# Altium PCB fMAX_MB.PcbDoc (part 1 of 13) (continued)
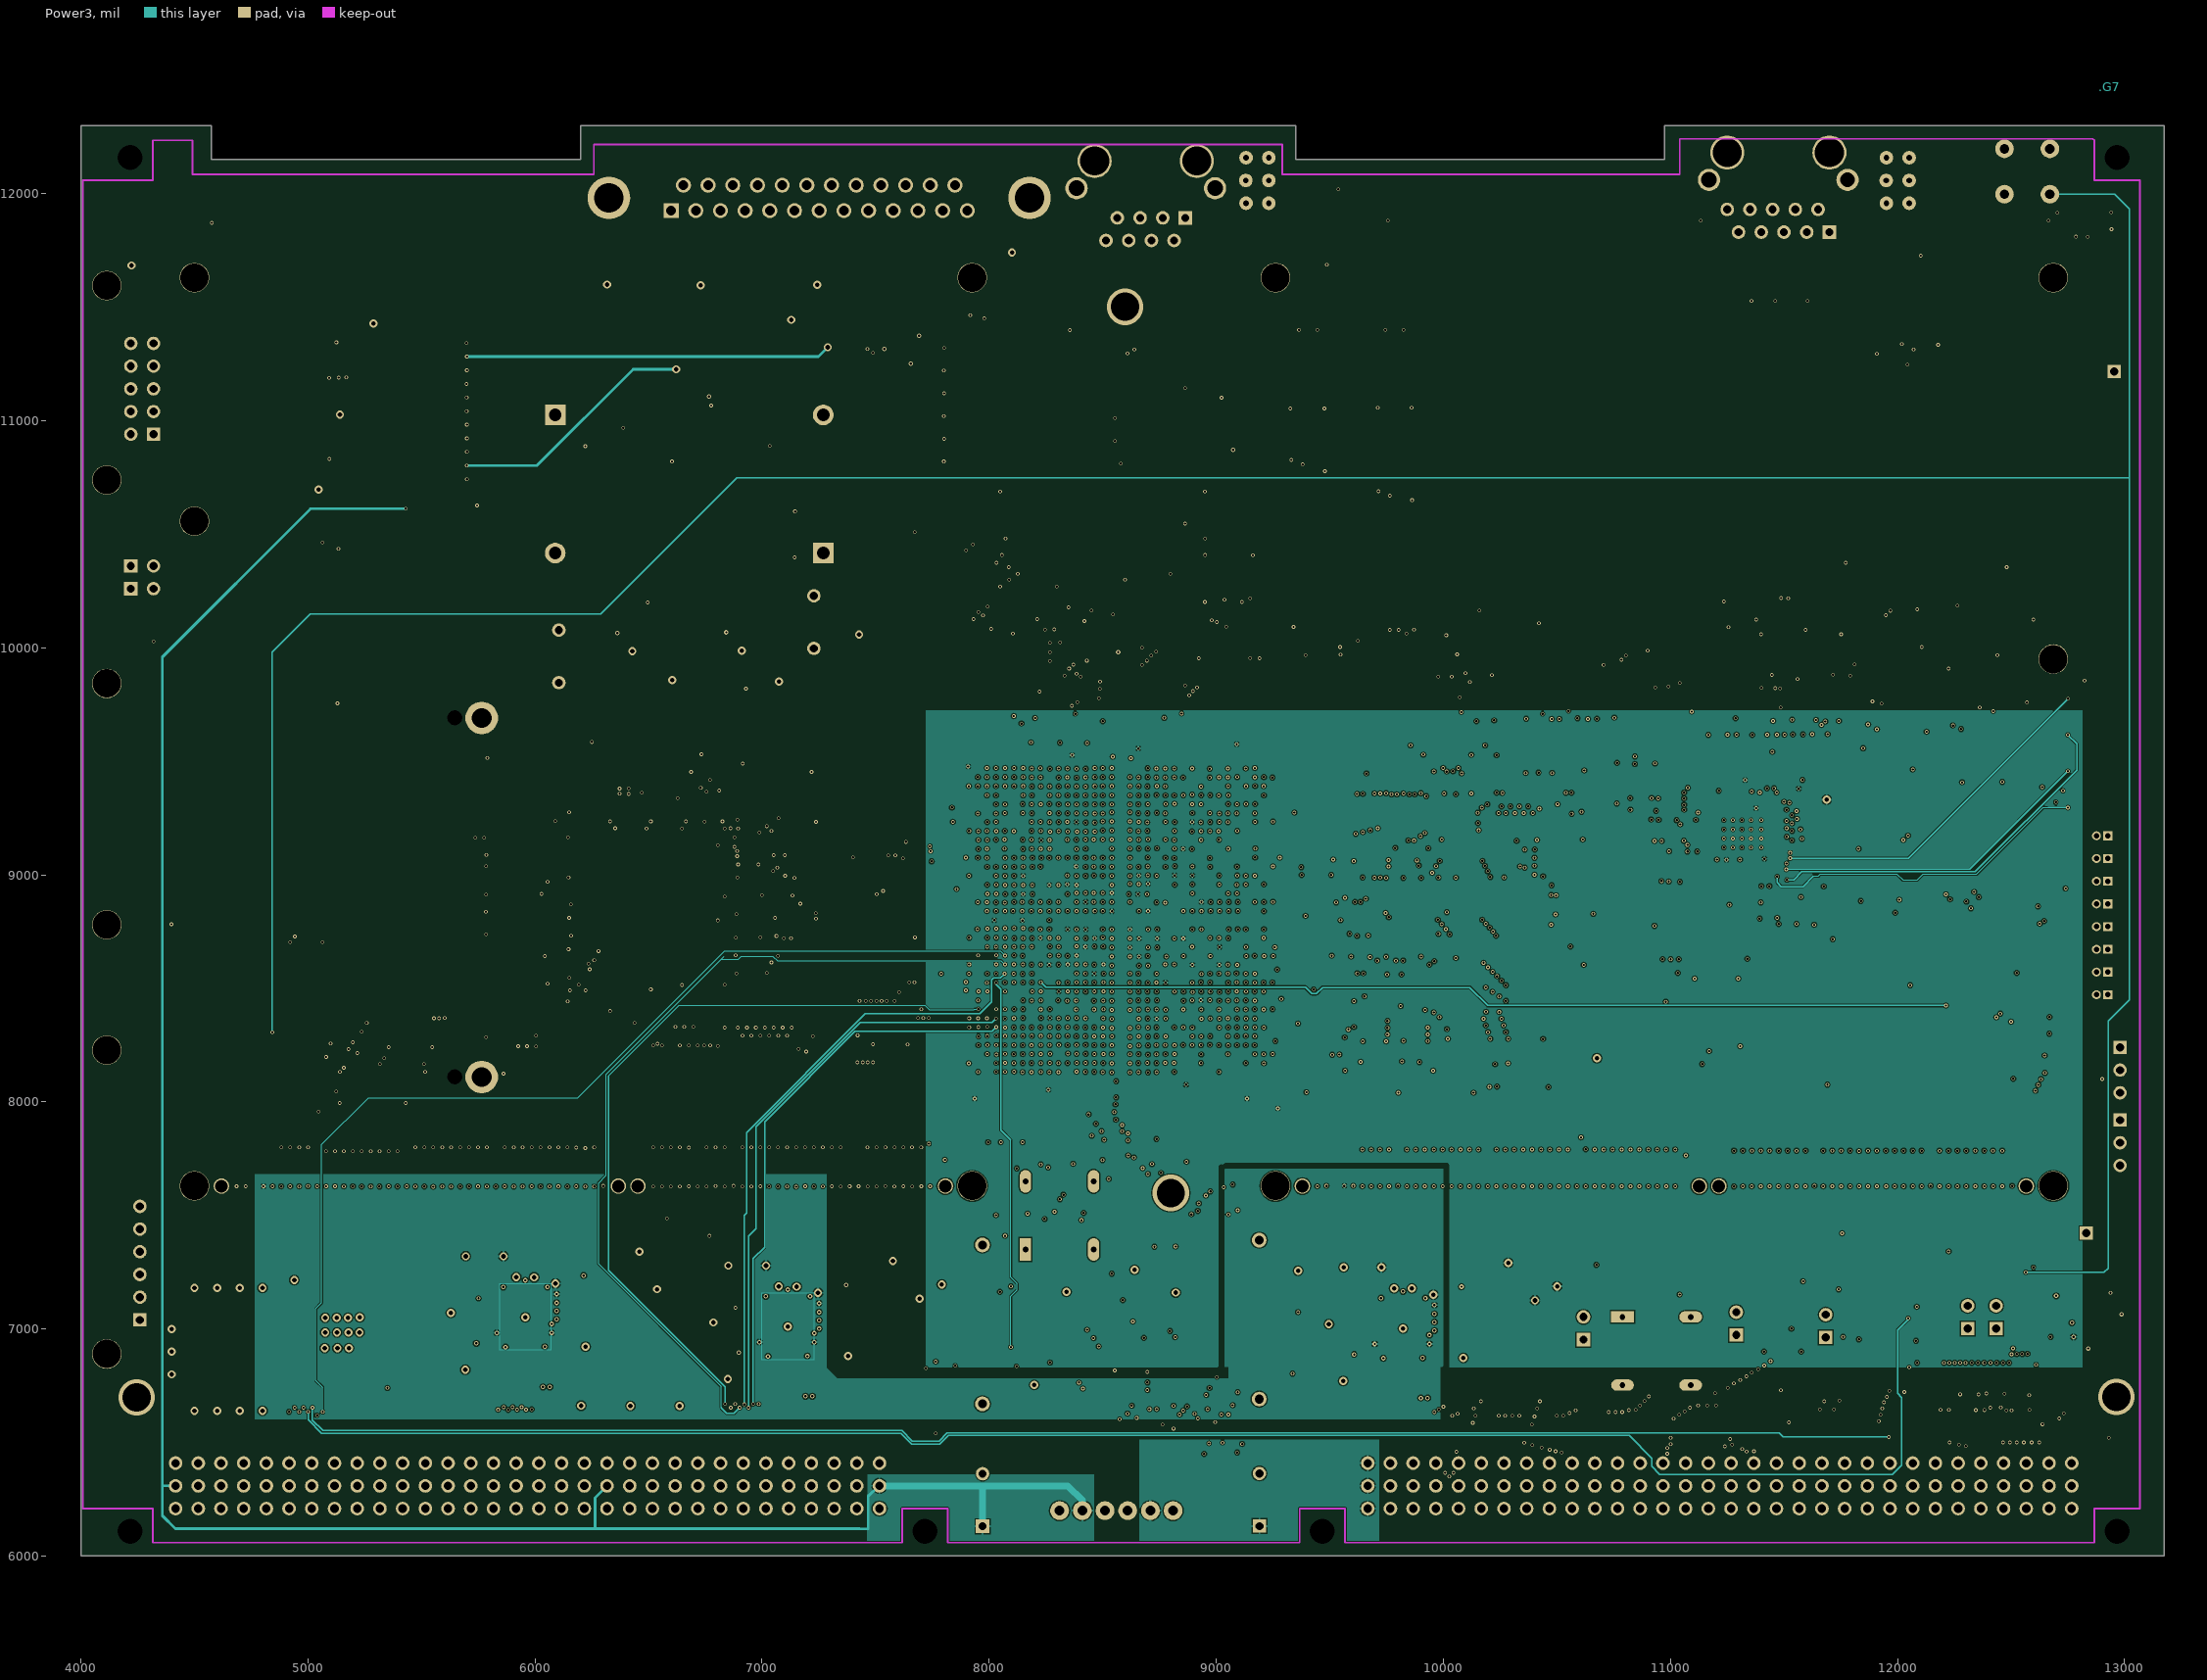
[diagram p8: Power3]
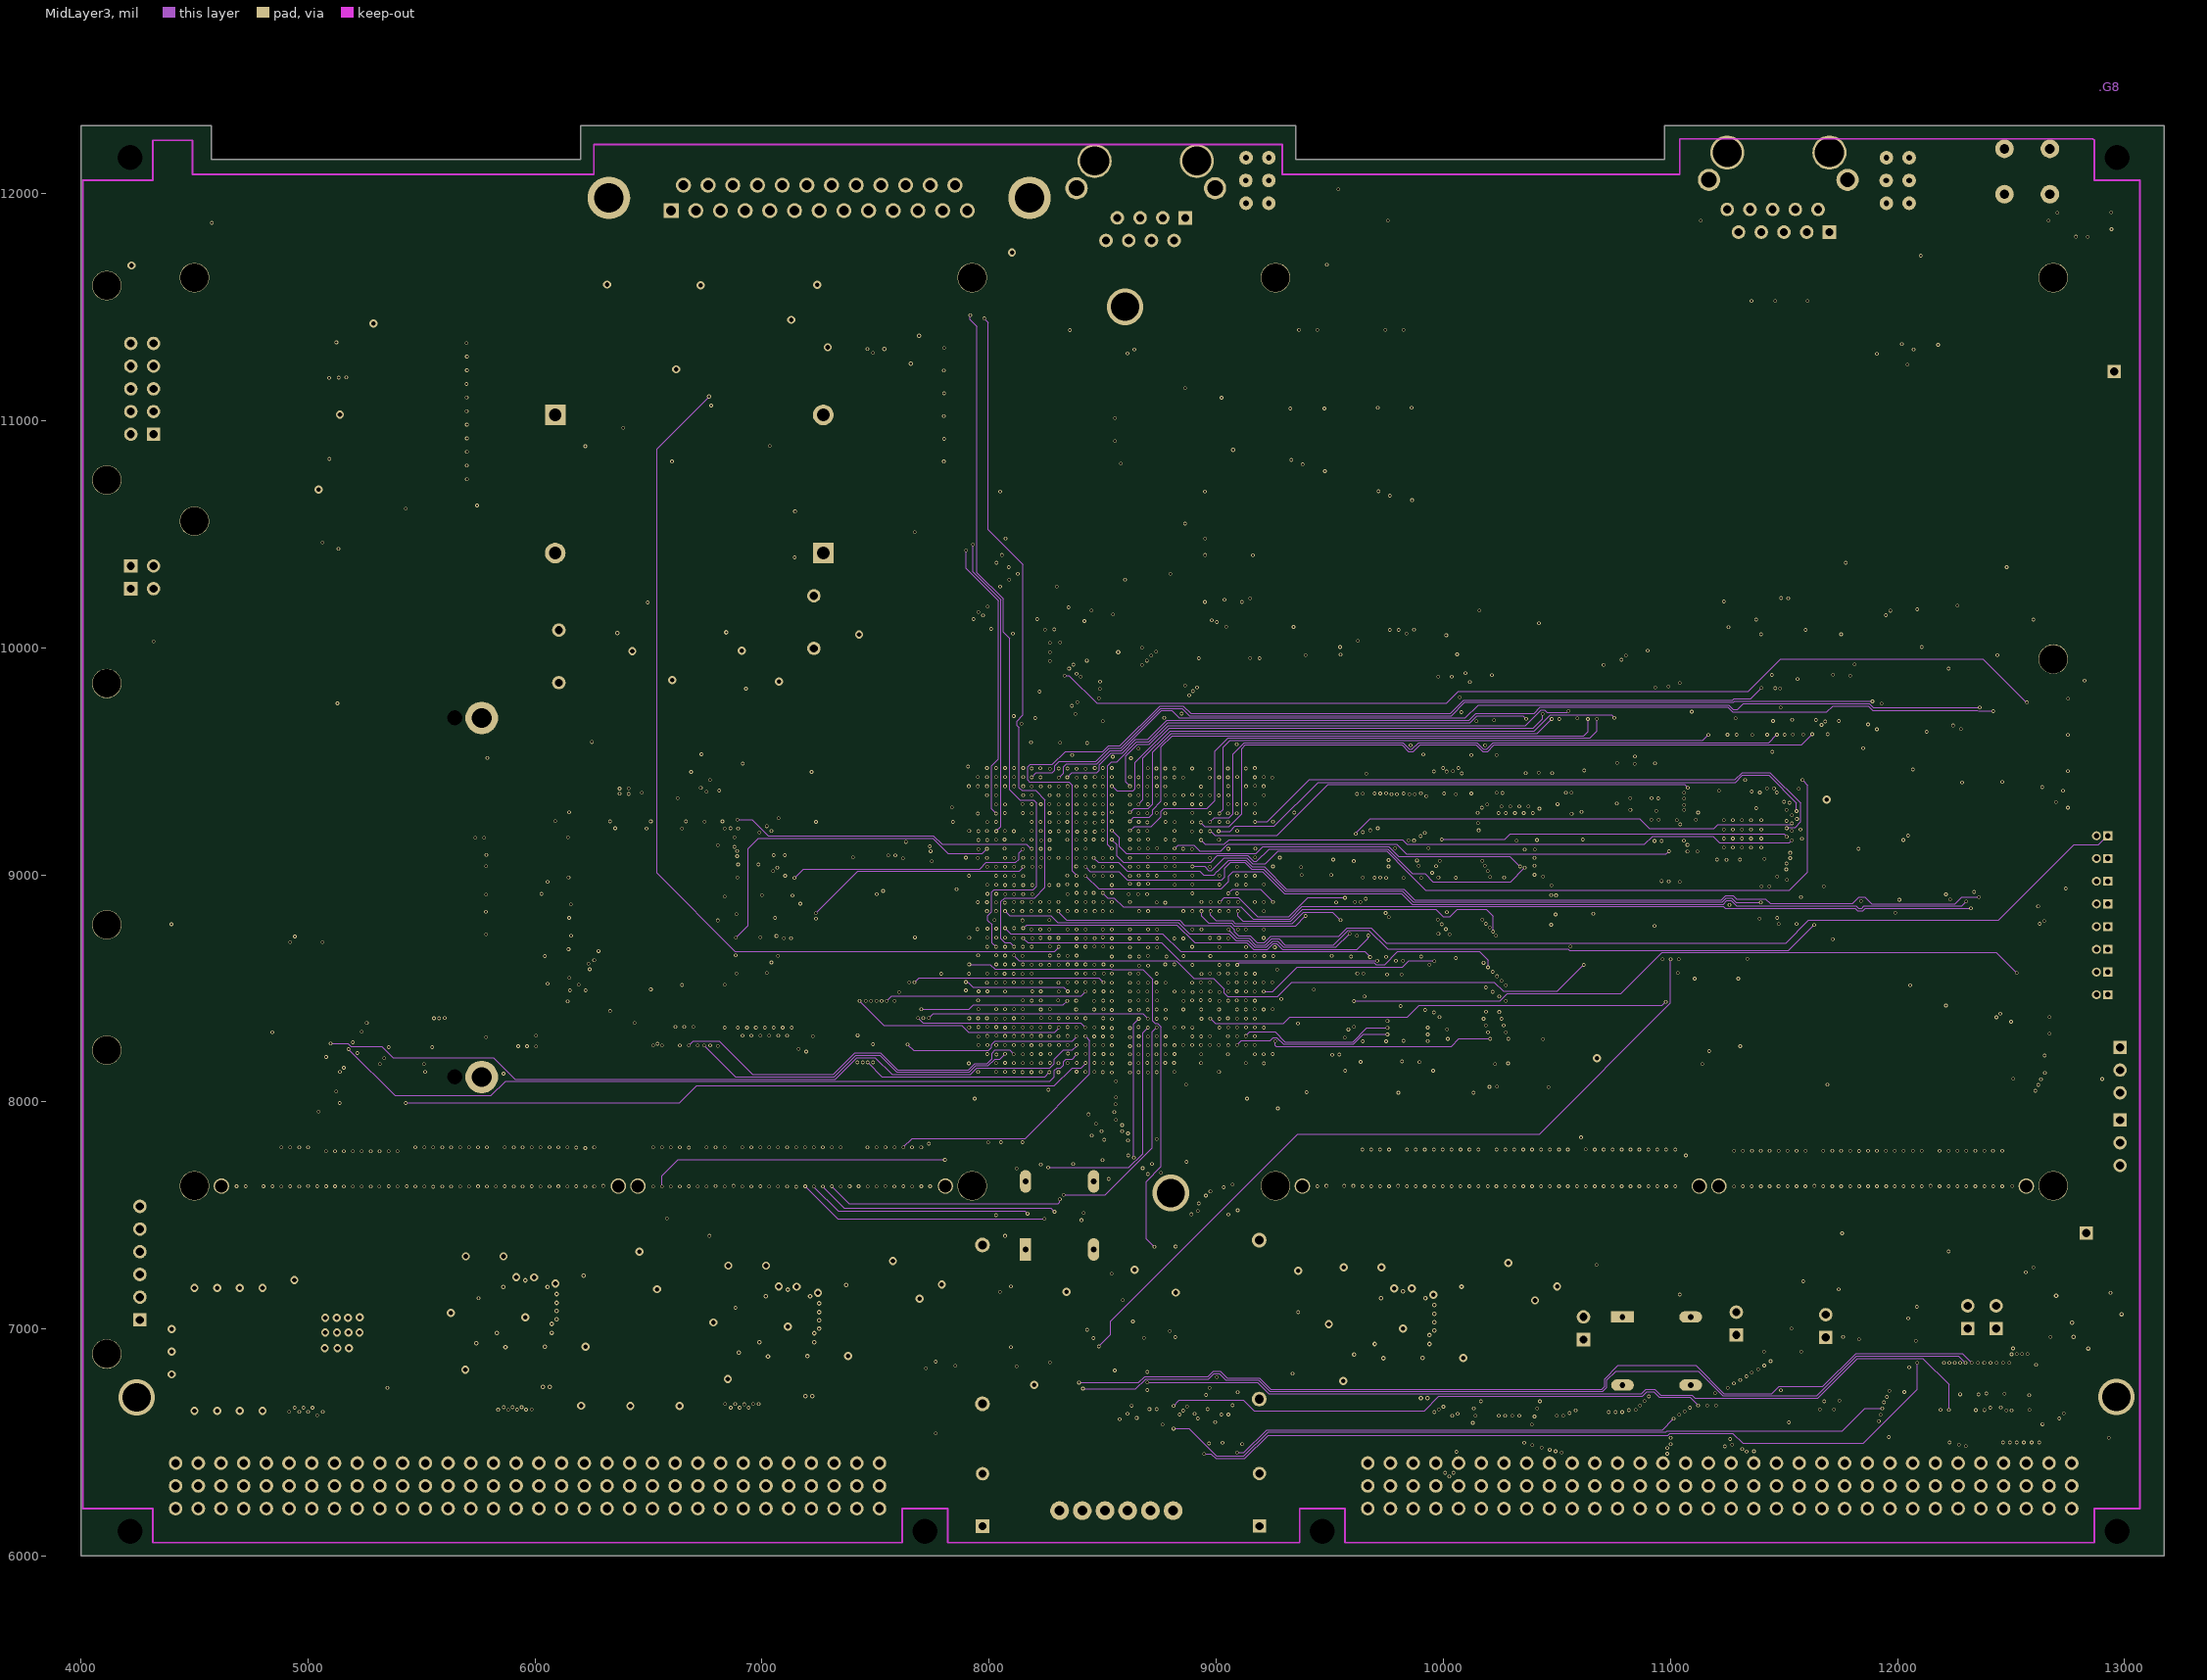
[diagram p9: MidLayer3]
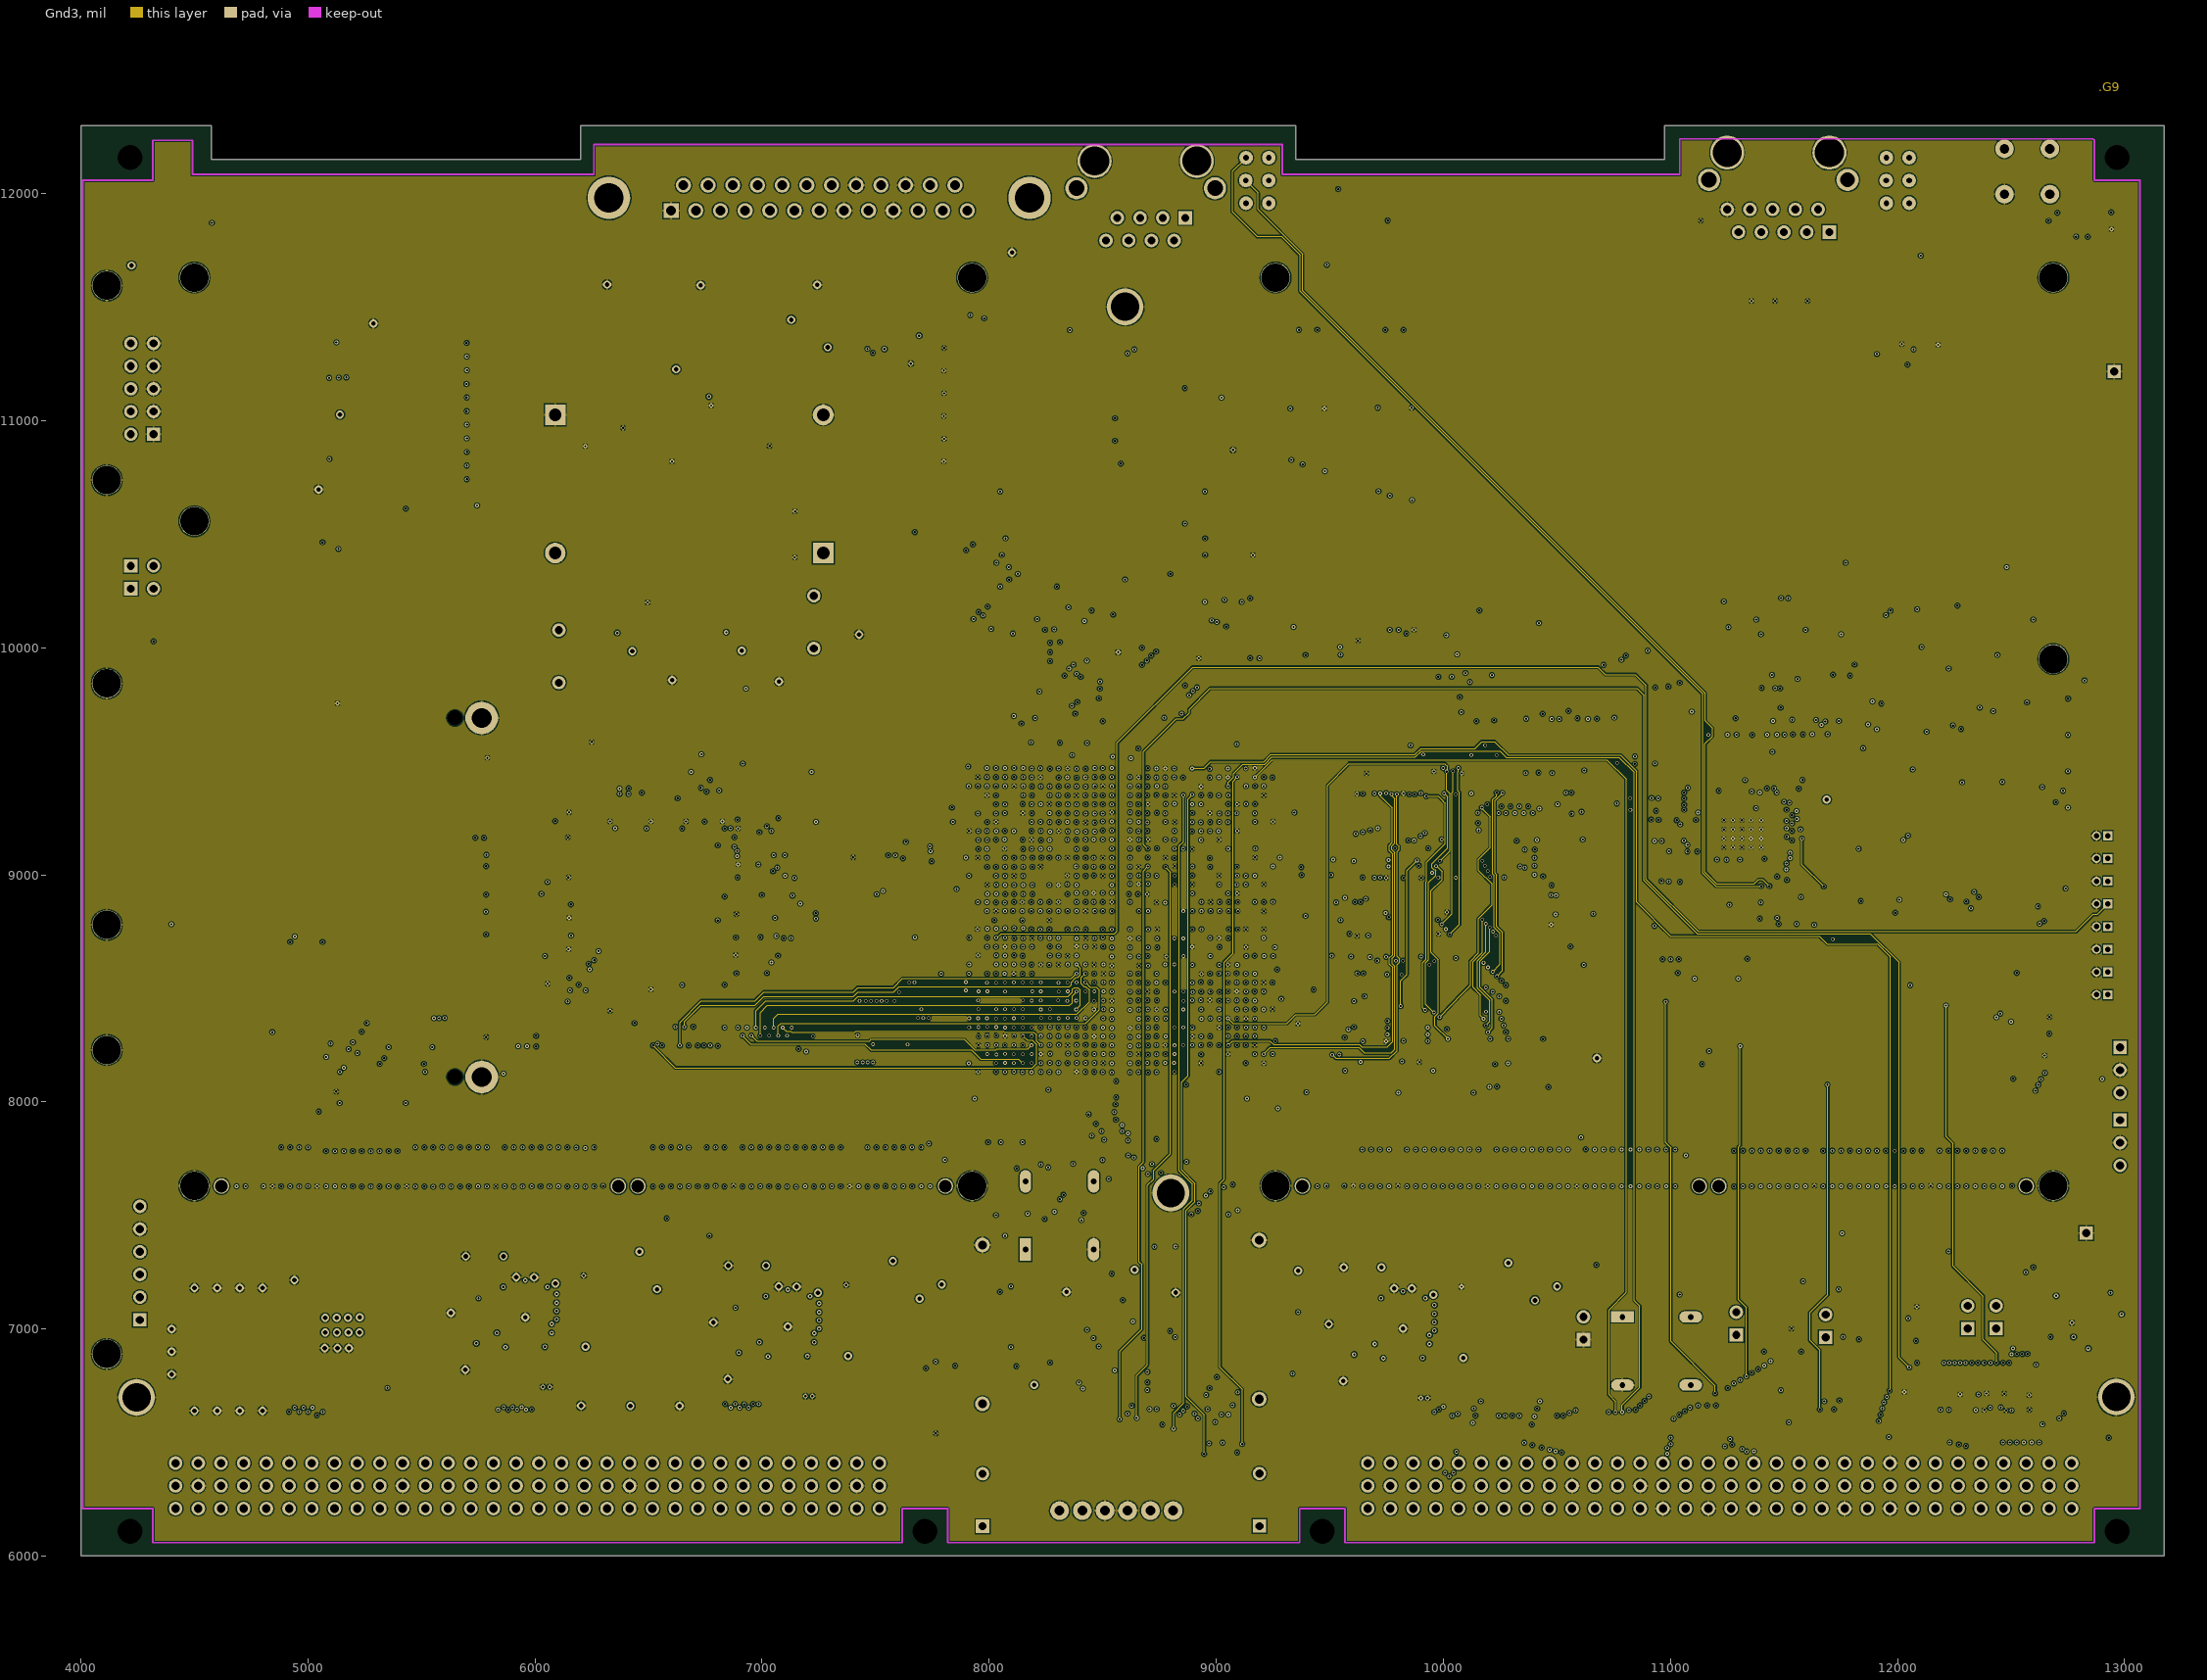
[diagram p10: Gnd3]
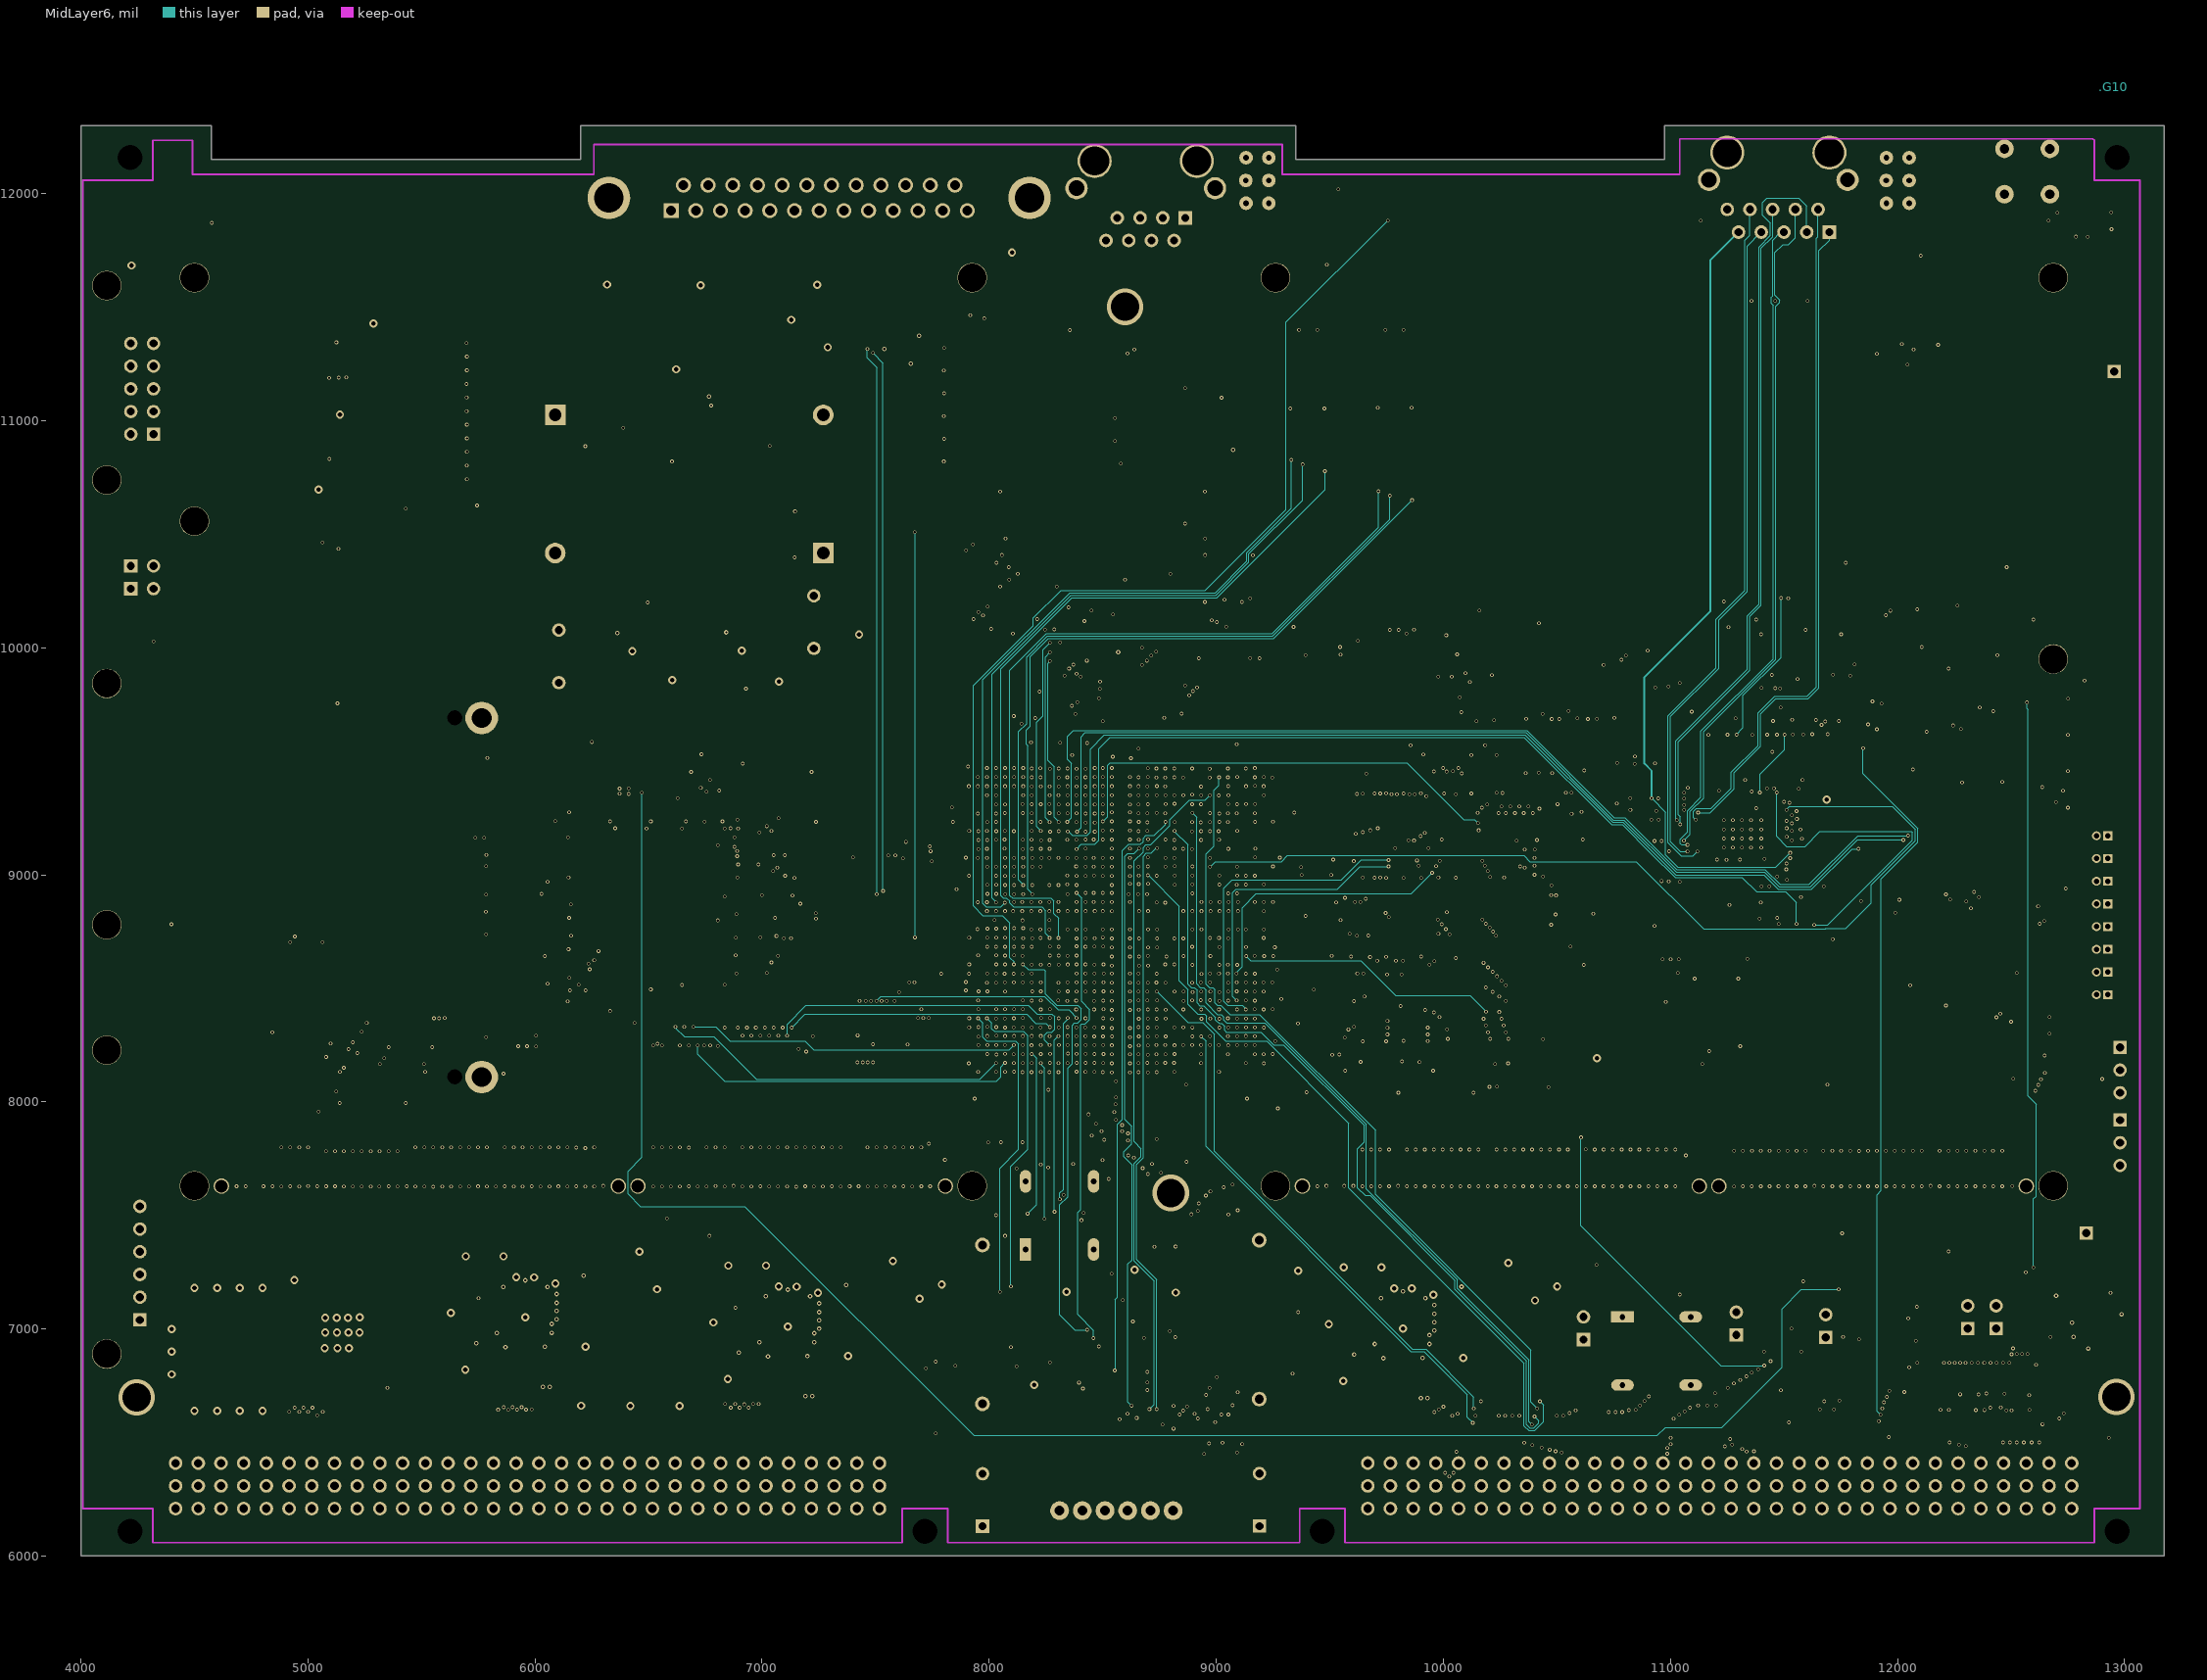
[diagram p11: MidLayer6]